# Altium PCB MASOUD.PcbDoc (part 3 of 5)
Units mm, origin at the board's own origin, x right, y up, seen from the top; angles counter-clockwise.
Board outline 244.28 x 142.63 mm, 2 copper layers (Top Layer, Bottom Layer); 506 components, 0 nets, 1687 pads, 863 vias.
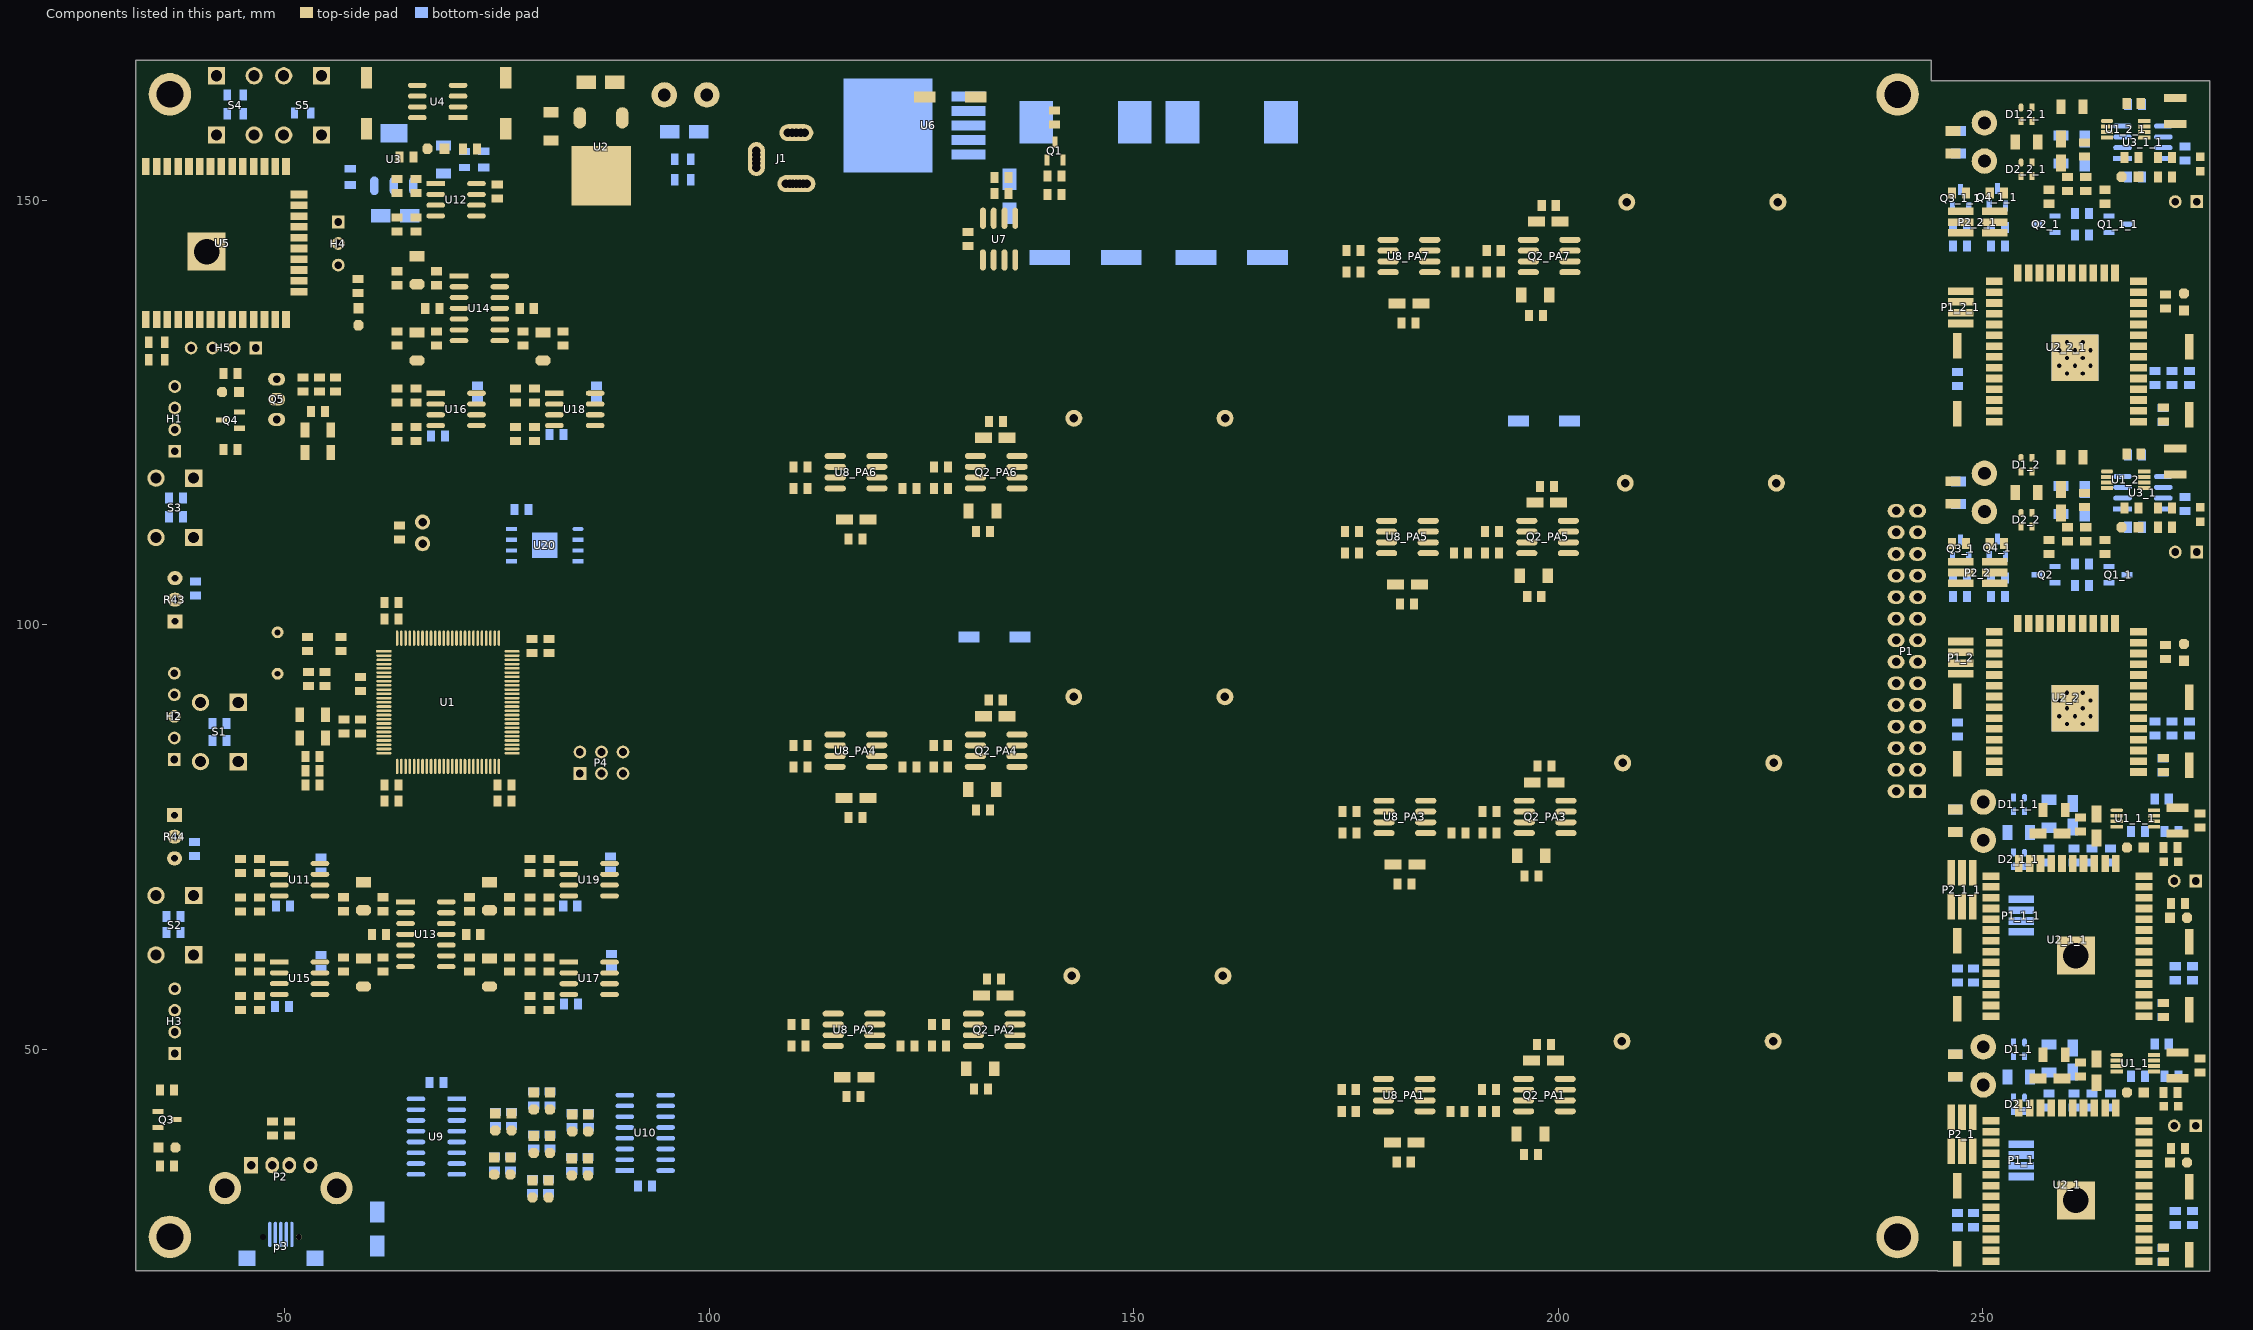
[diagram p3: the components of this part, seen from the top]

## Via types
v1: diameter 1.3, hole 0.7, Top Layer to Bottom Layer, tented both sides, 464 vias
v2: diameter 1, hole 0.5, Top Layer to Bottom Layer, tented both sides, 368 vias
v3: diameter 1.27, hole 0.7, Top Layer to Bottom Layer, tented both sides, 17 vias
v4: diameter 1.5, hole 0.8, Top Layer to Bottom Layer, tented both sides, 10 vias
v5: diameter 1, hole 0.5, Top Layer to Bottom Layer, 2 vias
v6: diameter 1.2, hole 0.7, Top Layer to Bottom Layer, tented both sides, 2 vias

## Nets (pads, with @x,y where several pads share a name; then routed paths per layer and width w, separated by ;. In a path a pad name is that pad's centre, name@x,y a point inside that pad or via, vN(x,y) a via of type N, cw(c..) or ccw(c..) an arc to the next point about the centre after c; other vN are vias at no path point) (continued)
copper on no net: | length 13370.1
  Top Layer w0.25: 62.26,97.949 63.76,96.449
  Top Layer w0.3: 35.11,42.699 35.11,44.999 35.335,45.224 ; 35.16,38.449 35.335,38.274 35.335,36.274 ; 36.985,45.224 36.985,45.399 41.71,50.124 41.71,70.984 45.225,74.499 62.252,74.499 v2(64.849,71.901) ; 37.035,86.699 38.785,86.699 42.978,90.891 44.558,90.891 ; 37.035,89.239 37.265,89.469 37.265,89.975 40.915,93.626 43.981,93.626 v2(43.986,93.62) ; 37.035,91.779 39.732,94.476 44.333,94.476 45.085,93.724 v2(45.085,92.724) ; 37.06,75.064 38.845,76.849 v2(50.51,76.849) ; 37.085,52.074 41.21,56.199 41.21,71.191 45.018,74.999 62.804,74.999 64.731,73.072 65.285,73.072 v2(65.379,72.978) ; 37.085,54.614 40.71,58.239 40.71,71.398 44.811,75.499 63.96,75.499 v2(65.285,74.174) ; 37.085,123.009 51.27,108.824 51.984,108.824 52.049,108.889 52.376,108.889 v2(52.51,109.023) ; 37.085,125.549 37.315,125.319 37.815,125.319 38.26,124.874 38.26,122.574 50.933,109.901 51.395,109.901 v2(51.529,109.768) ; 37.16,38.449 37.16,41.699 37.21,41.749 ; 37.396,102.974 37.46,102.974 ; 39.307,61.156 40.06,61.909 ; 39.307,110.306 42.731,106.883 v2(50.551,106.883) ; 40.06,67.389 39.307,68.141 40.173,69.007 40.173,71.569 44.604,75.999 64.596,75.999 65.171,75.424 v2(65.36,75.424) ; 42.61,124.124 42.66,124.174 42.66,127.424 ; 42.835,120.649 42.835,120.474 52.901,110.408 53.601,110.408 v2(53.735,110.274) ; 44.485,120.649 44.485,123.024 44.635,123.174 44.71,123.174 ; 44.66,127.424 44.66,129.424 ; 44.81,54.669 44.635,54.669 43.535,55.769 43.535,61.192 43.81,61.467 43.81,61.479 44.28,61.949 59.3,61.949 59.375,61.874 61.195,61.874 61.625,62.304 64.26,62.304 ; 44.81,56.319 44.81,59.209 46.819,59.209 46.94,59.089 ; 44.81,66.274 44.81,63.174 44.085,62.449 44.073,62.449 43.31,61.686 43.31,61.674 43.035,61.399 43.035,54.824 44.935,52.924 91.81,52.924 v2(92.41,52.324) ; 44.81,67.924 44.985,67.924 46.43,69.369 47.315,69.369 48.585,70.639 49.385,70.639 ; 44.81,70.814 v2@46.819,70.814 ; v2(47.035,67.949) 47.26,67.949 47.56,68.249 47.56,68.344 48.585,69.369 49.385,69.369 ; 47.06,54.669 47.235,54.669 48.48,53.424 90.66,53.424 95.235,57.999 v2(95.235,61.624) ; 47.06,56.319 47.235,56.319 47.56,56.644 47.56,58.009 48.585,59.034 49.385,59.034 ; 47.06,59.209 47.235,59.209 48.273,60.247 49.328,60.247 49.385,60.304 50.185,60.304 50.835,59.654 50.835,58.414 50.185,57.764 49.385,57.764 ; 47.06,60.859 47.385,61.184 50.95,61.184 51.41,60.724 51.41,57.719 50.185,56.494 49.385,56.494 ; 47.06,66.274 47.235,66.274 48.665,64.844 64.26,64.844 ; v2(47.06,70.814) 47.385,71.139 47.815,71.139 48.585,71.909 49.385,71.909 ; 47.06,72.464 47.385,72.789 50.645,72.789 51.385,72.049 ; v2(47.235,43.124) 47.235,43.131 52.903,48.799 93.085,48.799 97.61,53.324 97.61,67.124 95.985,68.749 v2(95.985,70.874) ; 48.565,36.384 48.565,39.829 48.61,39.874 ; 48.61,41.524 48.61,43.799 53.11,48.299 93.292,48.299 98.11,53.117 98.11,67.381 97.235,68.256 v2(97.235,69.799) ; 49.185,94.259 52.81,94.259 54.57,94.259 54.76,94.449 ; 49.185,99.139 50.445,99.139 52.535,97.049 52.71,97.049 52.885,97.049 ; v2(50.335,91.074) 50.4,91.009 55.6,91.009 56.21,90.399 61.71,90.399 ; 50.565,36.384 50.565,39.829 50.61,39.874 ; 50.61,41.524 50.61,45.092 53.317,47.799 93.499,47.799 98.61,52.91 98.61,67.588 98.394,67.804 98.394,68.515 v2(98.26,68.649) ; 52.46,84.524 52.46,82.836 52.46,79.975 52.636,79.799 55.285,79.799 57.26,81.774 v2(57.26,86.049) ; 52.71,96.924 52.885,96.924 53.905,96.924 56.135,94.694 56.135,92.574 57.31,91.399 61.71,91.399 ; v2(52.71,103.849) 52.844,103.715 53.194,103.715 60.51,96.399 61.71,96.399 ; 54.11,84.524 54.11,85.624 54.442,85.956 54.45,85.956 54.82,86.326 54.82,86.676 54.82,86.854 55.19,87.224 57.035,87.224 58.935,87.224 59.26,86.899 61.71,86.899 ; 54.385,92.474 54.685,92.774 ; 54.685,94.424 54.975,94.714 ; 54.76,92.799 54.935,92.799 56.835,90.899 61.71,90.899 ; 54.82,89.422 56.312,89.422 56.86,88.874 57.035,88.874 58.935,88.874 59.11,88.874 60.085,87.899 61.71,87.899 ; v2(55.535,106.749) 55.435,106.649 55.435,102.181 60.717,96.899 61.71,96.899 ; v2(56.16,79.049) 56.235,79.049 59.306,82.12 59.306,83.953 60.753,85.399 61.71,85.399 ; 56.335,142.385 56.335,133.972 59.61,130.697 59.61,117.336 60.254,116.692 v2(60.254,116.637) ; 56.335,144.925 55.235,143.825 55.235,134.237 59.11,130.362 v2(59.11,116.274) ; 56.685,96.924 56.847,96.762 57.667,96.762 60.03,94.399 61.71,94.399 ; 56.96,59.199 59.75,59.199 61.585,61.034 64.26,61.034 ; 56.96,66.289 57.135,66.289 57.96,65.464 60.585,65.464 61.41,66.289 61.585,66.289 61.76,66.114 64.26,66.114 ; v2(57.586,79.198) 57.586,79.3 59.935,81.649 59.935,83.874 60.96,84.899 61.71,84.899 ; 58.935,92.224 59.26,91.899 61.71,91.899 ; 58.935,93.874 59.11,93.874 60.585,92.399 61.71,92.399 64.085,92.399 64.11,92.424 ; 59.31,57.434 59.635,57.434 61.41,59.209 61.585,59.209 61.76,59.209 62.315,59.764 64.26,59.764 65.06,59.764 66.76,61.464 66.76,83.349 ; 59.31,66.414 59.585,66.414 60.785,67.614 61.26,67.614 61.585,67.939 61.76,67.939 ; v2(59.885,108.774) 64.26,104.399 64.26,98.449 ; v2(60.885,109.449) 60.885,108.499 64.76,104.624 64.76,98.449 ; 61.71,87.399 63.143,87.399 v2(63.159,87.415) ; 61.76,102.624 61.785,102.599 61.785,100.699 61.785,100.524 62.11,100.199 62.26,100.199 63.26,99.199 63.26,98.449 ; 61.785,79.274 v2(61.785,81.174) 61.785,81.349 62.61,82.174 62.835,82.174 63.26,82.599 63.26,83.349 63.26,84.974 64.16,85.874 ; 62.26,97.949 62.26,98.274 ; 63.235,121.659 62.922,121.972 62.387,121.972 61.01,123.349 61.01,131.701 60.885,131.826 60.885,134.474 62.435,136.024 70.56,136.024 ; 63.235,123.309 63.235,126.199 65.485,126.199 65.66,126.199 66.698,127.237 67.753,127.237 67.81,127.294 68.61,127.294 69.26,126.644 69.26,125.404 68.61,124.754 67.81,124.754 ; 63.235,146.344 63.06,146.344 62.735,146.019 62.735,145.844 61.635,144.744 61.635,139.724 62.795,138.564 70.56,138.564 ; 63.235,147.994 63.235,150.884 65.485,150.884 65.66,150.884 66.698,151.922 67.753,151.922 67.81,151.979 68.61,151.979 69.26,151.329 69.26,150.089 68.61,149.439 67.81,149.439 ; 63.26,134.579 63.435,134.579 64.615,133.399 66.53,133.399 67.71,134.579 67.885,134.579 68.06,134.754 70.56,134.754 ; 63.26,140.009 63.435,140.009 64.26,139.184 66.885,139.184 67.71,140.009 67.885,140.009 69.504,140.009 69.679,139.834 70.56,139.834 ; 63.41,94.749 63.76,95.099 63.76,96.449 63.76,98.449 63.76,102.099 63.41,102.449 63.41,102.624 ; v1(63.435,79.099) 63.435,79.274 63.435,81.174 63.76,81.499 63.76,83.349 ; v2(63.51,49.784) 63.772,49.784 63.772,49.711 63.94,49.543 64.013,49.543 64.257,49.299 92.878,49.299 93.228,49.649 97.11,53.531 97.11,66.874 94.96,69.024 v2(94.96,71.999) ; 63.56,110.049 63.885,109.724 66.115,109.724 66.26,109.579 66.26,98.449 ; 63.56,111.504 63.56,111.679 ; 64.26,67.384 62.315,67.384 61.76,67.939 ; 64.76,83.349 64.76,77.913 64.346,77.499 52.476,77.499 47.31,82.665 47.31,101.026 63.508,117.224 78.71,117.224 84.335,122.849 84.335,127.554 80.735,131.154 80.46,131.154 80.06,131.154 78.285,132.929 78.11,132.929 77.935,132.929 77.38,133.484 75.36,133.484 ; 65.26,83.349 65.26,77.706 64.553,76.999 53.192,76.999 52.269,76.999 46.81,82.458 46.81,101.233 63.301,117.724 72.235,117.724 75.51,120.999 75.51,127.999 72.935,130.574 72.935,139.529 71.36,141.104 70.56,141.104 69.76,141.104 69.205,141.659 67.885,141.659 67.56,141.334 67.085,141.334 65.885,140.134 65.61,140.134 ; v2(65.46,120.049) 65.46,121.634 65.485,121.659 ; 65.485,123.309 65.66,123.309 65.985,123.634 65.985,124.999 67.01,126.024 67.81,126.024 ; 65.485,127.849 65.81,128.174 69.035,128.174 69.76,127.449 69.76,124.634 68.61,123.484 67.81,123.484 ; 65.485,146.344 65.81,146.019 67.61,146.019 67.63,145.999 75.077,145.999 89.31,131.766 89.31,121.235 v2(86.467,118.392) ; 65.485,147.994 65.66,147.994 65.985,148.319 65.985,149.684 67.01,150.709 67.81,150.709 ; 65.485,152.534 65.81,152.859 69.175,152.859 69.76,152.274 69.76,149.319 68.61,148.169 67.81,148.169 ; 65.61,131.154 65.935,131.154 67.71,132.929 67.885,132.929 68.06,132.929 68.615,133.484 70.56,133.484 71.071,133.484 71.21,133.345 71.21,131.592 74.935,127.867 74.935,122.499 70.66,118.224 63.094,118.224 46.31,101.44 46.31,82.251 52.062,76.499 52.985,76.499 64.76,76.499 65.76,77.499 65.76,83.349 ; 66.26,83.349 66.26,71.949 62.498,68.187 62.008,68.187 61.76,67.939 ; 66.585,109.579 66.994,109.17 ; 66.76,98.449 66.76,107.924 73.485,114.649 83.926,114.649 89.81,120.533 89.81,131.187 97.572,138.949 131.21,138.949 132.255,139.994 132.255,142.999 ; v2(67.175,95.776) 68.3,95.776 68.651,95.424 71.553,95.424 72.26,96.131 72.26,98.449 ; 67.26,83.349 67.26,60.764 68.26,59.764 69.06,59.764 71.134,59.764 71.31,59.588 71.31,59.524 71.635,59.199 71.985,59.199 72.31,58.874 72.31,58.792 73.678,57.424 74.16,57.424 ; 67.26,98.449 67.26,97.492 68.344,96.408 69.101,96.408 v2(69.235,96.274) ; v2(67.335,92.124) 67.335,92.273 67.511,92.449 70.924,92.449 73.649,95.174 75.121,95.174 75.346,95.399 76.81,95.399 ; v2(67.378,93.399) 70.943,93.399 74.592,97.049 74.817,97.049 75.26,97.492 75.26,98.449 ; v2(67.41,94.599) 67.485,94.674 71.51,94.674 72.76,95.924 72.76,98.449 ; 67.76,83.349 67.76,71.814 71.635,67.939 ; 67.76,98.449 67.76,108.217 73.692,114.149 84.133,114.149 90.31,120.326 90.31,129.283 98.976,137.949 133.71,137.949 134.795,139.034 134.795,142.999 ; 68.26,83.349 68.26,85.124 v2(68.285,85.149) ; 68.26,98.449 68.26,108.01 73.899,113.649 84.341,113.649 90.81,120.118 90.81,129.076 99.183,137.449 137.06,137.449 141.535,141.924 141.535,150.724 ; 68.76,98.449 68.76,107.803 74.106,113.149 84.548,113.149 91.31,119.911 91.31,128.774 97.001,134.465 97.426,134.465 v2(97.56,134.599) ; 69.06,61.034 71.8,61.034 73.06,59.774 75.26,59.774 76.335,60.849 76.51,60.849 ; 69.06,62.304 76.83,62.304 77.735,61.399 77.735,55.701 77.986,55.45 77.986,55.408 78.735,54.659 78.91,54.659 ; 69.06,64.844 77.305,64.844 78.735,66.274 78.91,66.274 ; 69.06,66.114 72.16,66.114 72.93,65.344 75.565,65.344 76.01,65.789 76.01,65.964 76.335,66.289 76.51,66.289 ; 69.06,67.384 71.08,67.384 71.635,67.939 ; v2(69.135,75.299) 69.135,75.393 69.76,76.018 69.76,83.349 ; 69.26,98.449 69.26,104.067 69.26,104.28 69.755,104.775 70.079,104.45 70.574,104.945 69.26,106.259 69.755,106.754 71.069,105.44 71.564,105.935 69.582,107.917 70.077,108.412 72.059,106.43 72.554,106.925 70.608,108.872 71.16,109.424 71.327,109.591 71.75,109.591 v2(71.884,109.725) ; v2(69.56,72.041) 69.737,72.041 70.26,72.563 70.26,83.349 ; 69.76,98.449 69.76,101.999 76.635,108.874 82.869,108.874 83.019,108.874 83.019,109.757 83.719,109.757 83.719,108.524 84.419,108.524 84.419,109.757 85.119,109.757 85.119,108.874 85.885,108.874 v2(86.41,108.874) ; 70.26,98.299 70.26,101.792 76.492,108.024 86.762,108.024 87.787,109.049 87.787,109.901 v2(87.885,109.999) ; 70.76,98.074 70.76,98.449 70.76,99.406 72.281,100.927 72.387,101.034 71.298,102.123 71.793,102.618 73.779,100.632 74.274,101.127 72.288,103.113 72.783,103.608 74.769,101.622 75.264,102.117 73.278,104.103 73.773,104.598 75.759,102.612 76.254,103.107 75.357,104.003 75.847,104.493 76.119,104.765 76.501,104.765 v2(76.635,104.899) ; 71.76,83.349 71.76,78.117 74.5,75.377 93.136,75.377 99.11,69.403 99.11,35.831 102.067,32.874 164.091,32.874 168.76,37.543 168.76,39.993 170.243,41.476 175.989,41.476 176.165,41.652 176.165,42.731 ; 72.26,83.349 72.26,78.324 74.66,75.924 93.296,75.924 99.61,69.61 99.61,38.249 103.885,33.974 163.635,33.974 167.66,37.999 167.66,40.449 171.185,43.974 175.82,43.974 176.165,44.319 176.165,45.271 ; 73.26,83.349 73.26,78.674 74.71,77.224 92.703,77.224 100.11,69.817 100.11,53.724 104.635,49.199 111.199,49.199 111.375,49.375 111.375,50.416 ; 73.26,98.449 73.26,99.406 76.303,102.449 89.137,102.449 v2(94.585,97.001) ; 73.76,83.349 73.76,78.881 74.917,77.724 92.91,77.724 100.61,70.024 100.61,56.024 104.785,51.849 111.199,51.849 111.375,52.025 111.375,52.956 ; 74.16,66.414 73.922,66.652 73.272,66.652 71.985,67.939 71.81,67.939 71.635,67.939 ; 74.21,85.674 74.76,85.124 ; 74.26,83.349 74.26,80.274 75.085,79.449 75.085,79.274 ; 74.26,98.449 74.26,99.699 76.51,101.949 88.93,101.949 93.59,97.289 93.59,96.301 v2(93.701,96.189) ; 74.31,39.276 72.81,41.874 74.31,44.472 77.31,44.472 78.81,41.874 ; 74.61,34.076 74.71,34.176 74.71,35.278 76.61,35.278 76.71,35.278 ; 74.76,98.274 74.76,98.449 74.76,99.492 76.717,101.449 88.723,101.449 92.585,97.587 v2(92.585,95.749) ; v2(74.769,96.024) 74.849,96.024 75.224,96.399 76.81,96.399 78.81,96.399 79.135,96.724 79.31,96.724 80.635,98.049 80.96,98.374 v2(81.135,98.374) ; 74.785,39.272 74.835,39.322 74.835,40.478 76.735,40.478 76.835,40.478 ; 75.26,83.349 75.26,82.599 75.685,82.174 75.91,82.174 76.735,81.349 76.735,81.174 ; 75.36,134.754 77.935,134.754 77.954,134.735 ; 75.36,136.024 74.56,136.024 73.91,135.374 73.91,130.306 76.035,128.181 76.035,122.659 77.035,121.659 77.21,121.659 ; 76.735,79.274 76.735,79.449 76.41,79.774 76.31,79.774 75.085,80.999 75.085,81.174 74.76,81.499 74.76,83.349 74.76,85.124 ; 76.81,84.899 77.735,84.899 81.81,80.824 v2(81.81,78.824) ; 76.81,85.399 77.942,85.399 83.035,80.306 v2(83.035,78.899) ; 76.81,85.899 81.405,85.899 84.795,82.509 ; 76.81,86.399 83.445,86.399 84.795,85.049 ; 76.81,87.399 85.535,87.399 87.105,85.829 87.105,85.279 87.335,85.049 ; 76.81,87.899 86.318,87.899 88.435,85.782 88.435,84.933 89.659,83.709 89.659,82.725 89.875,82.509 ; 76.81,88.399 87.01,88.399 89.645,85.764 89.645,85.279 89.875,85.049 ; 76.81,88.899 94.66,88.899 101.11,82.449 101.11,66.549 103.66,63.999 163.648,63.999 167.185,67.536 167.185,70.645 170.764,74.224 171.137,74.224 171.152,74.239 176.07,74.239 176.246,74.415 176.246,75.494 ; 76.81,89.399 94.867,89.399 102.985,81.281 102.985,69.036 102.335,68.386 102.335,66.924 104.16,65.099 163.192,65.099 166.06,67.967 166.06,71.075 171.859,76.874 176.07,76.874 176.246,77.05 176.246,78.034 ; 76.81,89.899 97.092,89.899 104.892,82.099 111.427,82.099 111.603,82.275 111.603,83.293 ; 76.81,90.399 99.803,90.399 103.12,87.082 103.12,85.467 103.938,84.649 111.427,84.649 111.603,84.825 111.603,85.833 ; 76.81,90.899 97.528,90.899 104.053,97.424 164.563,97.424 168.235,101.096 168.235,104.399 171.11,107.274 176.352,107.274 176.528,107.45 176.528,108.439 176.547,108.458 ; 76.81,91.399 95.21,91.399 102.335,98.524 164.107,98.524 167.135,101.552 167.135,104.875 172.059,109.799 176.371,109.799 176.547,109.975 176.547,110.998 ; 76.81,91.899 95.003,91.899 101.985,98.881 101.985,112.349 104.535,114.899 111.416,114.899 111.617,115.1 111.617,116.09 ; 76.81,92.399 94.796,92.399 100.74,98.344 100.74,115.097 103.017,117.374 111.435,117.374 111.617,117.556 111.617,118.63 ; 76.81,92.899 94.535,92.899 100.16,98.524 100.16,128.324 106.149,134.313 165.599,134.313 171.76,140.474 175.828,140.474 176.728,141.374 176.728,141.549 ; 76.81,93.399 94.328,93.399 99.66,98.731 99.66,130.617 104.492,135.449 105.16,135.449 136.474,135.449 165.259,135.449 172.634,142.824 176.552,142.824 176.728,143 176.728,144.089 ; 76.81,93.899 94.11,93.899 96.711,96.5 96.711,96.985 v2(96.841,97.114) ; 76.81,94.399 93.892,94.399 95.991,96.498 95.991,97.562 96.76,98.331 v2(96.76,98.347) ; 76.81,94.899 93.685,94.899 95.435,96.649 95.435,98.224 v2(96.76,99.549) ; 76.81,95.899 80.135,95.899 80.96,96.724 81.135,96.724 ; 76.81,96.899 77.56,96.899 78.635,97.974 78.635,98.049 78.96,98.374 79.135,98.374 ; 77.01,83.274 76.81,83.274 75.485,84.599 75.285,84.599 74.76,85.124 ; 77.01,86.899 84.778,86.899 86.235,85.442 86.235,84.593 87.119,83.709 87.119,82.725 87.335,82.509 ; 77.21,34.076 74.21,34.076 72.71,36.674 74.21,39.272 77.21,39.272 ; 77.21,123.309 77.21,126.189 78.985,126.189 79.15,126.024 ; 77.31,44.474 78.81,47.072 81.81,47.072 83.31,44.474 81.81,41.876 ; 78.11,134.579 78.285,134.579 79.935,132.929 82.81,132.929 ; 78.71,36.672 77.21,34.074 78.71,31.476 81.71,31.476 83.21,34.074 ; 78.91,56.309 78.91,59.199 80.919,59.199 81.04,59.079 ; 78.91,67.924 78.91,70.814 81.16,70.814 81.335,70.814 82.373,71.852 83.428,71.852 83.485,71.909 84.285,71.909 84.935,71.259 84.935,70.019 84.285,69.369 83.485,69.369 ; 79.16,31.476 79.16,32.528 79.21,32.578 81.11,32.578 81.21,32.578 ; 79.26,36.676 79.36,36.776 79.36,37.828 81.26,37.828 81.36,37.828 ; 79.31,41.872 79.36,41.922 79.36,42.928 81.26,42.928 81.36,42.928 ; v2(79.46,120.874) 79.46,121.659 ; 79.46,123.309 79.635,123.309 79.96,123.634 79.96,124.999 80.985,126.024 81.785,126.024 ; 79.46,126.189 79.635,126.189 80.683,127.237 81.728,127.237 81.785,127.294 82.585,127.294 83.235,126.644 83.235,125.404 82.585,124.754 81.785,124.754 ; 79.46,127.839 79.785,128.164 82.97,128.164 83.735,127.399 83.735,124.249 83.008,123.522 81.823,123.522 81.785,123.484 ; 81.16,54.659 91.17,54.659 94.36,57.849 94.36,62.249 94.713,62.602 94.724,62.602 94.996,62.874 v2(95.185,62.874) ; 81.16,56.309 81.335,56.309 81.66,56.634 81.66,57.999 82.685,59.024 83.485,59.024 ; 81.16,59.199 81.335,59.199 82.373,60.237 83.428,60.237 83.485,60.294 84.285,60.294 84.935,59.644 84.935,58.404 84.285,57.754 83.485,57.754 ; 81.16,66.274 81.485,65.949 92.21,65.949 92.36,65.799 93.265,65.799 v2(93.31,65.754) ; 81.16,67.924 81.16,68.716 81.193,68.749 81.193,69.157 82.675,70.639 83.485,70.639 ; 81.81,36.678 83.31,34.08 86.31,34.08 87.81,36.678 86.31,39.276 ; 83.31,39.276 86.31,39.276 ; 83.31,44.472 86.31,44.472 87.81,41.874 86.31,39.276 ; 83.685,39.276 83.685,40.153 83.885,40.353 85.785,40.353 85.885,40.353 ; 83.81,34.08 83.81,35.153 83.835,35.178 85.735,35.178 85.835,35.178 ; v2(90.585,50.149) 93.021,50.149 96.61,53.738 96.61,66.424 93.853,69.181 v2(93.853,73.267) ; 90.685,39.276 86.31,39.276 ; v2(91.785,51.149) 93.314,51.149 96.11,53.945 96.11,66.174 92.728,69.556 v2(92.728,74.392) ; v2(92.96,121.074) 92.96,127.299 102.31,136.649 164.71,136.649 170.46,142.399 170.46,151.849 171.61,152.999 222.683,152.999 225.878,149.804 ; v2(93.56,33.949) 93.61,33.999 93.61,39.674 v2(97.26,43.324) ; v2(97.354,137.53) 97.466,137.53 98.385,138.449 132.635,138.449 133.525,139.339 133.525,142.999 ; v2(101.135,130.849) 105.099,134.813 165.392,134.813 172.128,141.549 175.078,141.549 ; v2(101.223,50.537) 101.385,50.374 101.385,40.106 106.317,35.174 162.911,35.174 165.535,37.798 165.535,48.949 170.635,54.049 222.252,54.049 225.315,50.986 ; v2(102.41,61.549) 102.595,61.734 128.79,61.734 128.85,61.674 157.522,61.674 160.525,58.671 ; v2(103.035,111.674) 103.035,102.249 105.56,99.724 163.61,99.724 165.76,101.874 165.76,114.224 171.335,119.799 222.611,119.799 225.697,116.713 ; v2(103.135,94.524) 103.222,94.611 130.488,94.611 130.551,94.674 157.627,94.674 160.753,91.548 ; v2(103.21,127.574) 103.235,127.549 157.563,127.549 160.767,124.345 ; v2(103.446,68.029) 103.547,67.929 104.28,67.929 105.91,66.299 162.636,66.299 164.86,68.523 164.86,80.531 171.141,86.812 222.333,86.812 225.396,83.749 ; v2(245.776,34.011) 245.776,34.2 245.481,34.495 245.481,39.656 245.836,40.011 247.996,40.011 248.351,40.366 248.351,40.491 248.821,40.961 248.821,42.011 ; v2(245.776,62.84) 245.776,63.029 245.481,63.324 245.481,68.485 245.836,68.84 247.996,68.84 248.351,69.195 248.351,69.32 248.821,69.79 248.821,70.84 ; 246.253,38.001 246.469,37.785 246.469,36.231 246.716,35.984 247.493,35.984 248.285,35.193 248.285,30.222 249.608,28.899 250.969,28.899 ; 246.253,66.83 246.469,66.614 246.469,65.06 246.716,64.813 247.493,64.813 248.285,64.022 248.285,59.051 249.608,57.728 250.969,57.728 ; 247.523,38.001 247.823,37.701 247.823,36.362 248.824,35.361 248.824,30.738 249.393,30.169 250.969,30.169 ; 247.523,66.83 247.823,66.53 247.823,65.191 248.824,64.19 248.824,59.567 249.393,58.998 250.969,58.998 ; 250.969,35.249 252.931,35.249 v2(254,36.318) ; 250.969,37.789 251.17,37.588 v2(254.889,37.588) ; 250.969,39.059 251.17,38.858 v2(253.619,38.858) ; 250.969,64.078 252.931,64.078 v2(254,65.147) ; 250.969,66.618 251.17,66.417 v2(254.889,66.417) ; 250.969,67.888 251.17,67.687 v2(253.619,67.687) ; v2(265.126,38.236) 265.126,33.861 267.548,31.439 268.969,31.439 ; v2(265.126,67.065) 265.126,62.69 267.548,60.268 268.969,60.268 ; v2(265.976,39.186) 265.976,33.986 267.253,32.709 268.969,32.709 ; v2(265.976,68.015) 265.976,62.815 267.253,61.538 268.969,61.538 ; 268.339,111.51 270.641,111.51 ; 268.339,152.781 270.641,152.781 ; 268.354,113.796 270.642,113.796 270.64,113.798 270.64,115.828 270.345,116.123 269.03,116.123 ; 268.354,155.067 270.642,155.067 270.64,155.069 